# Allegro board pc065a_toplevel_43_allrouted.brd (continued)
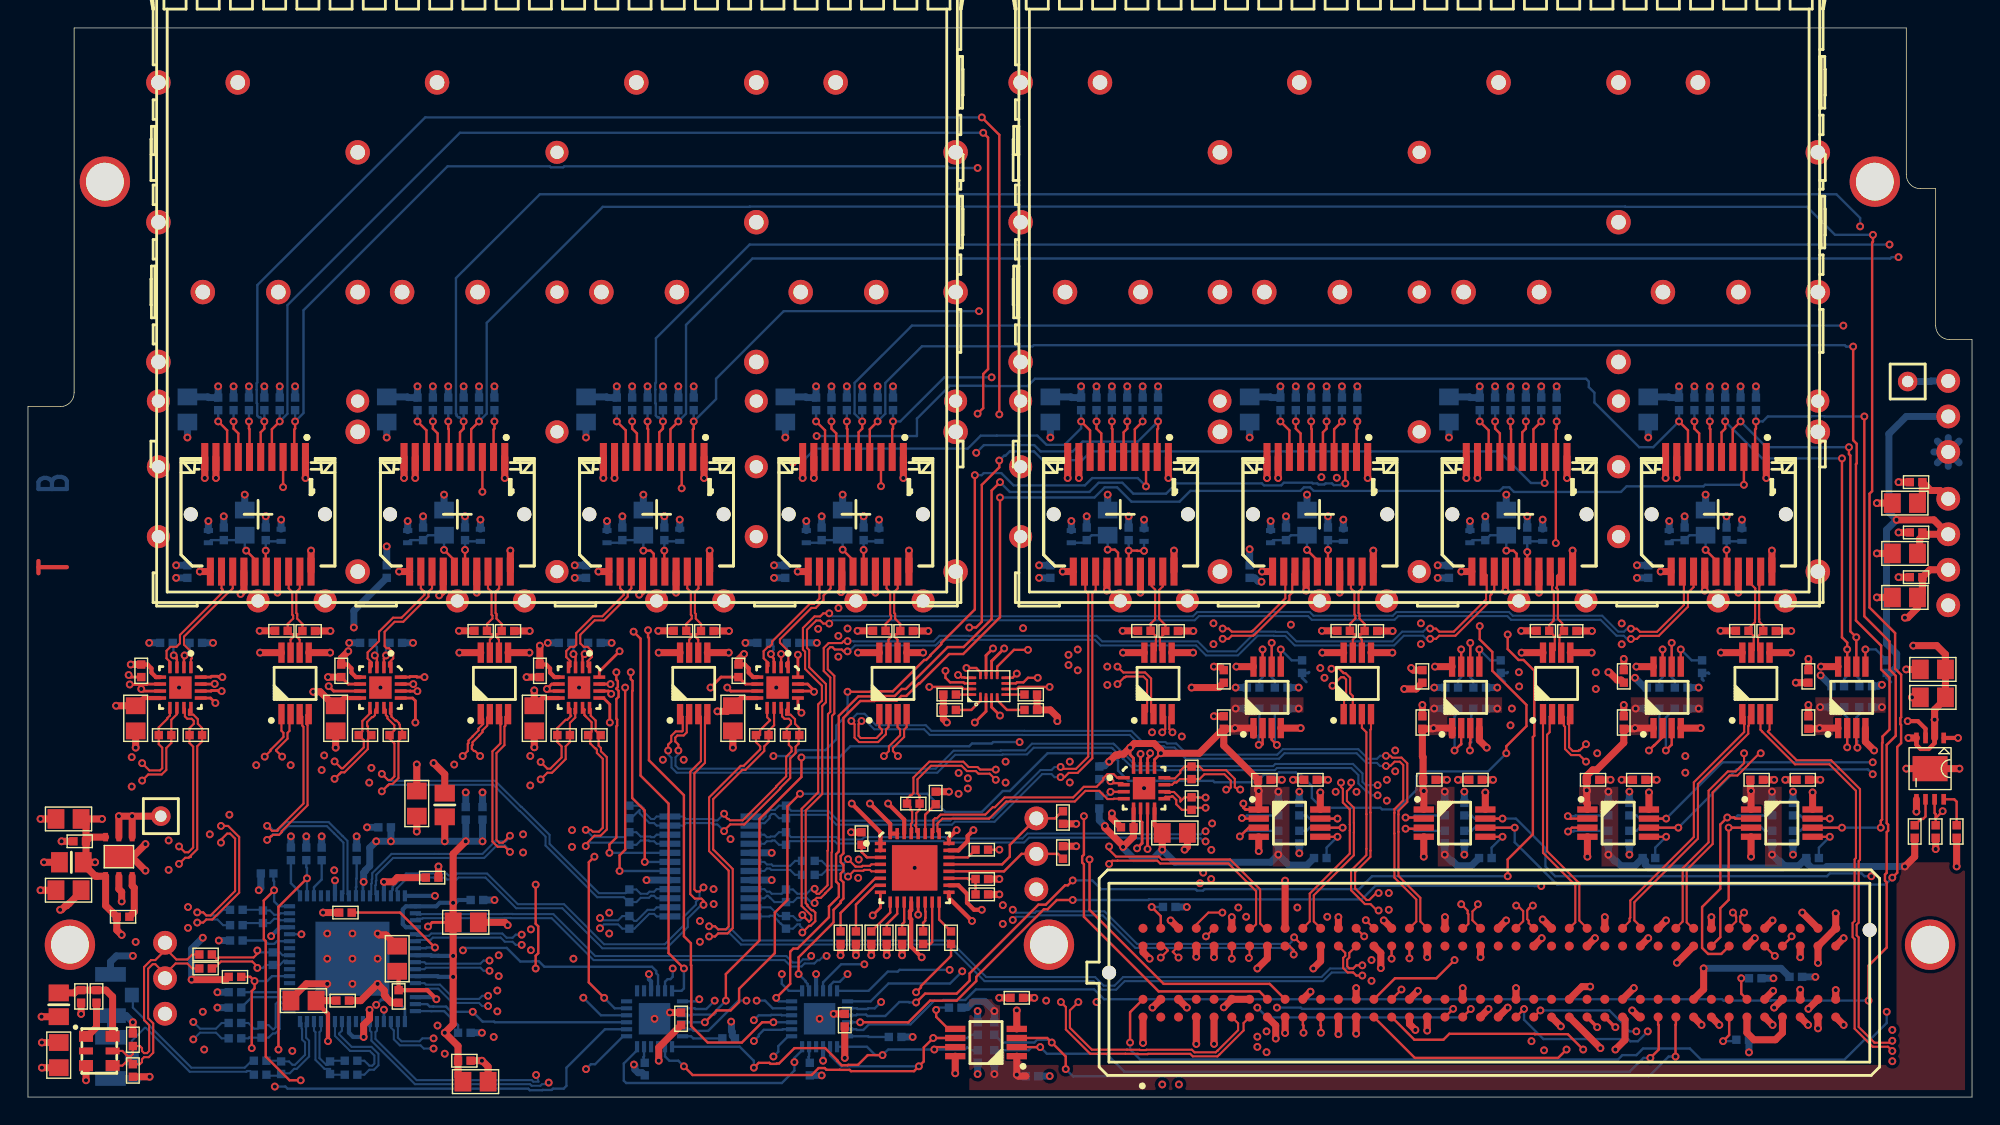
[diagram p0: board, top side]
## Routing (per net, layer and track width the routed paths; a pad name or vN(x,y) marks a point on that pad's centre or on a via; arc(x,y) is an arc through that point) (continued)
SFP_TD_P: length 6.4
  TOP w0.15: U3.7 18.77,32.73 18.95,32.91 18.95,33.12 18.81,33.12 R22.1 18.57,33.86 18.96,34.24 18.96,34.45 18.89,34.52 18.89,36.14 18.64,36.4 J7.18
SFP_TD_P_1: length 6.4
  TOP w0.15: 33.02,31.8 33.02,32.73 33.2,32.91 33.2,33.12 33.06,33.12 R34.1 32.82,33.86 33.21,34.24 33.21,34.45 33.14,34.52 33.14,36.14 32.89,36.4 J12.18
SFP_TD_P_2: length 6.4
  TOP w0.15: J16.18 47.14,36.4 47.4,36.14 47.4,34.52 47.46,34.45 47.46,34.24 47.07,33.86 R42.1 47.31,33.12 47.45,33.12 47.45,32.91 47.27,32.73 U5.7
SFP_TD_P_3: length 6.4
  TOP w0.15: J20.18 61.39,36.4 61.65,36.14 61.65,34.52 61.71,34.45 61.71,34.24 61.32,33.86 R50.1 61.56,33.12 61.7,33.12 61.7,32.91 61.52,32.73 U6.7
SFP_TD_P_4: length 6.4
  TOP w0.15: U7.7 123.39,31.97 123.39,32.99 R99.1 123.02,33.53 123.48,33.97 123.48,34.19 123.49,34.2 123.49,36.2 123.5,36.22 123.5,36.4 123.09,36.81 J24.18
SFP_TD_P_5: length 6.3
  TOP w0.15: J28.18 109.03,37.41 109.03,36.62 108.97,36.56 108.97,36.32 109.1,36.19 109.1,34.19 109.07,34.16 109.07,34.07 108.77,33.78 R107.1 109.17,32.97 109.17,31.99 U8.7
SFP_TD_P_6: length 6.4
  TOP w0.15: U9.7 94.72,32.73 94.91,32.91 94.91,33.12 94.76,33.12 R115.1 94.52,33.86 94.91,34.24 94.91,34.45 94.84,34.52 94.84,36.14 94.59,36.4 J32.18
SFP_TD_P_7: length 6.3
  TOP w0.15: J36.18 80.34,36.56 80.59,36.31 80.59,34.4 80.59,34.19 80.28,33.88 R123.1 80.6,33.03 80.6,32.99 80.64,32.95 80.64,31.97 U10.7
SFP_TX_DISABLE<0>: length 81.1
  TOP w0.17: J7.3 v1(18.24,43.64)
  L3 w0.17: v1(53.3,2.9) 52.42,2.9 52.38,2.87 51.42,2.87 51.36,2.93 45.52,2.93 45.32,3.12 34.32,3.12 33.99,2.8 33,2.8 32.67,3.12 32.24,3.12 31.61,2.5 27.6,2.5 26.8,3.3 v1(18.9,3.3)
  L4 w0.17: v1(18.24,43.64) 18.62,43.25 18.62,27.08 19.31,26.39 19.31,22.41 18.27,21.38 18.27,3.93 v1(18.9,3.3)
  BOTTOM w0.17: IC10.1 54.35,4.35 53.65,3.65 53.65,3.25 v1(53.3,2.9)
SFP_TX_DISABLE<1>: length 65.2
  TOP w0.17: J12.3 v1(32.49,43.31)
  L3 w0.17: v1(51.9,4.01) 48.69,4.01 48.57,4.13 33.47,4.13 v1(33.3,4.3)
  L4 w0.17: v1(33.3,4.3) 33.3,5.2 32.38,6.12 32.38,7.53 32.2,7.71 32.2,17.26 33.02,18.08 33.02,22.02 32.86,22.19 32.86,36.07 31.9,37.03 31.9,40.1 32.88,41.08 32.88,42.92 v1(32.49,43.31)
  BOTTOM w0.17: v1(51.9,4.01) 52.26,4.36 52.26,4.46 52.61,4.81 53.93,4.81 53.97,4.85 IC10.2
SFP_TX_DISABLE<2>: length 51.6
  TOP w0.17: v1(53.3,5.35) 52.49,5.35 51.04,3.9 48.6,3.9 47.42,5.08 47.42,9.42 47.4,9.44 47.4,11.01 46.9,11.51 46.9,21.6 44.4,24.1 44.4,32.85 44.34,32.91 v1(44.34,33.4) ; J16.3 v1(46.74,43.56)
  L4 w0.17: v1(44.34,33.4) 45.36,34.43 45.42,34.43 47.12,36.14 47.12,43.17 v1(46.74,43.56)
  BOTTOM w0.17: v1(53.3,5.35) IC10.3
SFP_TX_DISABLE<3>: length 47.3
  TOP w0.17: J20.3 v1(60.99,43.71)
  L4 w0.17: v1(60.99,43.71) 59.23,41.95 59.23,41.73 55.56,38.06 55.56,37.82 55.56,33.63 55.67,33.52 55.67,33.08 55.58,32.98 55.58,31.43 55.5,31.36 55.5,30.5 55.73,30.27 55.73,29.27 55.67,29.22 55.67,28.78 55.73,28.73 55.73,27.82 55.83,27.72 55.83,21.58 54.8,20.56 54.8,13.97 52.9,12.07 52.9,6.5 v1(51.9,5.5)
  BOTTOM w0.17: IC10.4 53.89,5.85 53.86,5.88 53.14,5.88 53.1,5.85 52.25,5.85 v1(51.9,5.5)
SFP_TX_DISABLE<4>: length 65.9
  TOP w0.17: J36.3 v1(79.94,43.7) ; v1(58.6,29) 60.25,29 60.28,29.03 61.84,29.03 64.08,31.27 64.22,31.27 64.53,31.58 64.53,31.62 65.3,32.4 65.3,32.49 67.7,34.89 v1(67.7,44.5)
  L4 w0.17: v1(52.1,6.9) 52.1,10.4 52.33,10.63 52.33,23.43 v1(53.3,24.4)
  BOTTOM w0.17: v1(79.94,43.7) 79.35,44.29 76.09,44.29 75.57,43.77 70.47,43.77 69.59,44.65 68.34,44.65 68.19,44.5 v1(67.7,44.5) ; v1(53.3,24.4) 54.66,24.4 55.08,24.83 57.02,24.83 57.8,25.6 57.8,26.58 58.6,27.38 v1(58.6,29) ; v1(52.1,6.9) 52.7,6.9 53.25,6.35 IC10.5
SFP_TX_DISABLE<5>: length 75.6
  TOP w0.17: v1(69.5,44) 68.9,43.4 68.9,34.2 66.9,32.2 65.77,32.2 62.77,29.2 62.47,29.2 61.97,28.7 60.41,28.7 60.38,28.67 59.37,28.67 57.98,27.27 57.98,17.57 57.78,17.38 57.78,15.42 57.98,15.23 57.98,14.34 57.27,13.64 57.27,12.87 55.02,10.62 54.73,10.62 54.5,10.4 54.5,8.1 v1(53.5,7.1) ; J32.3 v1(94.19,43.91)
  BOTTOM w0.17: v1(53.5,7.1) 53.5,7.02 53.67,6.85 IC10.6 ; v1(69.5,44) 70.2,43.3 75.9,43.3 76.56,43.96 78.24,43.96 79.03,43.17 81.38,43.17 82.11,43.91 88.23,43.91 88.37,43.77 89.61,43.77 89.8,43.96 91.8,43.96 91.85,43.91 92.19,43.91 92.26,43.84 92.7,43.84 92.77,43.91 93.24,43.91 93.36,43.79 93.83,43.79 93.95,43.91 v1(94.19,43.91)
SFP_TX_DISABLE<6>: length 94.5
  TOP w0.17: v1(69.45,45.55) 69.45,45.05 68.2,43.81 68.2,34.01 67.79,33.6 v1(67.3,33.6) ; J28.3 v1(108.44,43.94)
  L3 w0.17: v1(67.3,33.6) 66.7,34.2 59.27,34.2 v1(58.6,33.52)
  L4 w0.17: v1(58.6,33.52) 57.72,33.52 57.42,33.22 57.42,33.21 57.12,32.92 57.12,32.38 57.12,32.38 57.12,32.36 56.77,32.01 56.77,28.83 56.3,28.36 56.3,21.2 55.3,20.2 55.3,14 53.9,12.6 v1(53.9,8.8)
  BOTTOM w0.17: v1(108.44,43.94) 107.46,43.94 105.2,46.2 76,46.2 75.37,45.57 72.56,45.57 71.93,46.2 70.2,46.2 69.89,45.89 69.79,45.89 v1(69.45,45.55) ; v1(53.9,8.8) 53.9,8.1 54.4,7.6 IC10.7
SFP_TX_DISABLE<7>: length 101.1
  TOP w0.17: v1(69.5,42.9) 69.5,34.33 66.87,31.7 65.86,31.7 63.76,29.6 63.7,29.6 62.8,28.7 62.44,28.7 62.11,28.37 60.55,28.37 60.52,28.34 59.51,28.34 58.31,27.14 58.31,17.44 58.11,17.24 58.11,16.81 58.3,16.61 58.3,16.19 58.11,15.99 58.11,15.56 58.3,15.36 58.3,14.21 58.11,14.01 58.11,13.91 57.6,13.4 57.6,12.5 55.1,10 v1(55.1,8.8) ; J24.3 v1(122.69,43.81)
  BOTTOM w0.17: v1(55.1,8.8) 55.6,8.3 55.6,8.25 55.74,8.1 55.74,7.96 55.85,7.85 IC10.8 ; v1(69.5,42.9) 76.25,42.9 76.98,43.63 77.87,43.63 78.9,42.6 82.34,42.6 83.11,43.37 90.98,43.37 91.23,43.63 91.67,43.63 91.92,43.37 105.23,43.37 105.48,43.63 105.92,43.63 106.25,43.3 113.9,43.3 114.3,43.7 119.8,43.7 119.91,43.81 v1(122.69,43.81)
UNNAMED_1_CAPCERSMDCL2_I31_B: length 5.7
  TOP w0.17: J7.15 16.24,38.46 v1(15.6,39.1)
  BOTTOM w0.17: v1(15.6,39.1) 15.5,39.2 C34.2 15.15,39.85 C35.2 13.09,39.85 L5.1
UNNAMED_1_CAPCERSMDCL2_I31_B_1: length 5.7
  TOP w0.17: v1(29.75,39.15) 30.49,38.41 J12.15
  BOTTOM w0.17: v1(29.75,39.15) C43.2 28.6,40.2 C44.2 27.34,39.85 L7.1
UNNAMED_1_CAPCERSMDCL2_I31_B_2: length 6
  TOP w0.17: v1(44,39.1) 44.52,39.1 44.74,38.88 J16.15
  BOTTOM w0.17: v1(44,39.1) C48.2 43.65,39.85 C49.2 42.31,39.66 L9.1
UNNAMED_1_CAPCERSMDCL2_I31_B_3: length 5.7
  TOP w0.17: J20.15 58.99,38.43 v1(58.25,39.17)
  BOTTOM w0.17: v1(58.25,39.17) C53.2 57.9,39.85 C54.2 56.56,39.66 L11.1
UNNAMED_1_CAPCERSMDCL2_I31_B_4: length 5.7
  TOP w0.17: J24.15 120.69,38.41 v1(119.95,39.15)
  BOTTOM w0.17: L13.1 117.53,39.85 C63.2 118.8,40.2 C62.2 v1(119.95,39.15)
UNNAMED_1_CAPCERSMDCL2_I31_B_5: length 6
  TOP w0.17: v1(105.7,39.1) 106.22,39.1 106.44,38.88 J28.15
  BOTTOM w0.17: v1(105.7,39.1) C67.2 104.55,40.2 C68.2 103.28,39.85 L15.1
UNNAMED_1_CAPCERSMDCL2_I31_B_6: length 5.7
  TOP w0.17: J32.15 92.19,38.41 v1(91.45,39.15)
  BOTTOM w0.17: L17.1 89.03,39.85 C73.2 90.3,40.2 C72.2 v1(91.45,39.15)
UNNAMED_1_CAPCERSMDCL2_I31_B_7: length 6
  TOP w0.17: v1(77.2,39.17) 77.72,39.17 77.94,38.95 J36.15
  BOTTOM w0.17: L19.1 75.52,39.66 C78.2 76.05,40.2 C77.2 v1(77.2,39.17)
UNNAMED_1_CAPCERSMDCL2_I35_B: length 3.4
  TOP w0.17: v1(17,39.1) 17,37.64 J7.16
  BOTTOM w0.17: v1(17,39.1) C33.2 17.09,39.77 18.1,39.77
UNNAMED_1_CAPCERSMDCL2_I35_B_1: length 3.4
  TOP w0.17: J12.16 31.25,37.64 v1(31.25,39.15)
  BOTTOM w0.17: 32.35,39.77 31.34,39.77 C42.2 v1(31.25,39.15)
UNNAMED_1_CAPCERSMDCL2_I35_B_2: length 3.4
  TOP w0.17: v1(45.5,39.1) 45.5,37.64 J16.16
  BOTTOM w0.17: 46.6,39.77 45.59,39.77 C47.2 v1(45.5,39.1)
UNNAMED_1_CAPCERSMDCL2_I35_B_3: length 3.4
  TOP w0.17: J20.16 59.75,37.64 v1(59.75,39.15)
  BOTTOM w0.17: 60.85,39.77 59.84,39.77 C52.2 v1(59.75,39.15)
UNNAMED_1_CAPCERSMDCL2_I35_B_4: length 3.4
  TOP w0.17: v1(121.45,39.15) 121.45,37.64 J24.16
  BOTTOM w0.17: 122.55,39.77 121.53,39.77 C61.2 v1(121.45,39.15)
UNNAMED_1_CAPCERSMDCL2_I35_B_5: length 3.4
  TOP w0.17: v1(107.2,39) 107.2,37.64 J28.16
  BOTTOM w0.17: v1(107.2,39) C66.2 107.28,39.77 108.3,39.77
UNNAMED_1_CAPCERSMDCL2_I35_B_6: length 3.4
  TOP w0.17: J32.16 92.95,37.64 v1(92.95,39.15)
  BOTTOM w0.17: v1(92.95,39.15) C71.2 93.03,39.77 94.05,39.77
UNNAMED_1_CAPCERSMDCL2_I35_B_7: length 4.1
  TOP w0.17: v1(79.8,39.08) 79.31,39.08 79.29,39.1 v1(78.7,39.1) 78.7,37.64 J36.16
  BOTTOM w0.17: 79.8,39.77 v1(79.8,39.08) ; C76.2 v1(78.7,39.1)
UNNAMED_1_CON20PSFP_I19_RATES_1: length 3.5
  TOP w0.17: v1(28.95,48.35) 28.95,47.83 29.29,47.49 J12.7
  BOTTOM w0.17: R41.1 v1(28.95,48.35)
UNNAMED_1_CON20PSFP_I19_RATES_2: length 3.5
  TOP w0.17: J16.7 43.54,47.49 43.2,47.83 v1(43.2,48.35)
  BOTTOM w0.17: R49.1 v1(43.2,48.35)
UNNAMED_1_CON20PSFP_I19_RATES_3: length 3.5
  TOP w0.17: J20.7 57.79,47.49 57.45,47.83 v1(57.45,48.35)
  BOTTOM w0.17: R57.1 v1(57.45,48.35)
UNNAMED_1_CON20PSFP_I19_RATES_4: length 3.5
  TOP w0.17: v1(119.15,48.35) 119.15,47.83 119.49,47.49 J24.7
  BOTTOM w0.17: R106.1 v1(119.15,48.35)
UNNAMED_1_CON20PSFP_I19_RATES_5: length 3.5
  TOP w0.17: J28.7 105.24,47.49 104.9,47.83 v1(104.9,48.35)
  BOTTOM w0.17: R114.1 v1(104.9,48.35)
UNNAMED_1_CON20PSFP_I19_RATES_6: length 3.5
  TOP w0.17: J32.7 90.99,47.49 90.65,47.83 v1(90.65,48.35)
  BOTTOM w0.17: R122.1 v1(90.65,48.35)
UNNAMED_1_CON20PSFP_I19_RATES_7: length 3.5
  TOP w0.17: v1(76.4,48.35) 76.4,47.83 76.74,47.49 J36.7
  BOTTOM w0.17: R130.1 v1(76.4,48.35)
UNNAMED_1_CON20PSFP_I19_RATESEL: length 3.5
  TOP w0.17: J7.7 15.04,47.49 14.7,47.83 v1(14.7,48.35)
  BOTTOM w0.17: R29.1 v1(14.7,48.35)
UNNAMED_1_RSMD0402_I7_B: length 3.2
  TOP w0.17: v1(64.94,6.24) 64.94,5.74 65.8,4.88 IC11.5
  BOTTOM w0.17: v1(64.94,6.24) 65.1,6.4 R133.2
UNNAMED_1_RSMD0402_I7_B_1: length 3.1
  TOP w0.17: IC12.5 v1(93.63,18.62)
  BOTTOM w0.17: R138.2 92.85,17.85 v1(93.63,18.62)
UNNAMED_1_RSMD0402_I7_B_2: length 3.1
  TOP w0.17: IC14.5 v1(105.43,18.62)
  BOTTOM w0.17: R143.2 104.65,17.85 v1(105.43,18.62)
UNNAMED_1_RSMD0402_I7_B_3: length 3.1
  TOP w0.17: IC15.5 v1(117.13,18.62)
  BOTTOM w0.17: v1(117.13,18.62) 116.35,17.85 R148.2
UNNAMED_1_RSMD0402_I7_B_4: length 3.1
  TOP w0.17: IC16.5 v1(128.83,18.62)
  BOTTOM w0.17: R153.2 128.05,17.85 v1(128.83,18.62)
UNNAMED_1_RSMD0402_I7_B_5: length 3.1
  TOP w0.17: 89.58,30.8 v1(89.58,32.03)
  BOTTOM w0.17: v1(89.58,32.03) 90.35,31.25 R158.2
UNNAMED_1_RSMD0402_I7_B_6: length 3.1
  TOP w0.17: 103.78,30.8 v1(103.78,32.03)
  BOTTOM w0.17: v1(103.78,32.03) 104.55,31.25 R163.2
UNNAMED_1_RSMD0402_I7_B_7: length 3.1
  TOP w0.17: IC19.5 v1(118.17,32.03)
  BOTTOM w0.17: v1(118.17,32.03) 118.95,31.25 R168.2
UNNAMED_1_RSMD0402_I7_B_8: length 3.1
  TOP w0.17: IC20.5 v1(131.38,32.03)
  BOTTOM w0.17: v1(131.38,32.03) 132.12,32.03 R173.2
UNNAMED_1_RSMD0402_I10_B: length 1.9
  TOP w0.17: IC4.3 10.65,31.31 10.62,31.33 10.62,31.48 10.49,31.61 v1(10.42,31.61)
  BOTTOM w0.17: v1(10.42,31.61) 10.42,31.68 10.4,31.7 10.4,32.45 R59.2
UNNAMED_1_RSMD0402_I10_B_1: length 2
  TOP w0.17: v1(24.8,31.6) 24.95,31.45 IC5.3
  BOTTOM w0.17: R63.2 24.95,32.2 24.95,31.75 v1(24.8,31.6)
UNNAMED_1_RSMD0402_I10_B_2: length 1.9
  TOP w0.17: v1(39,31.7) 39.15,31.55 IC6.3
  BOTTOM w0.17: v1(39,31.7) 39,32.35 R67.2
UNNAMED_1_RSMD0402_I10_B_3: length 2
  TOP w0.17: v1(53.12,31.7) 53.2,31.62 53.2,31.5 53.33,31.38 53.33,31.19 53.35,31.16 IC7.3
  BOTTOM w0.17: R71.2 53.3,32.25 53.3,32 53.2,31.9 53.2,31.78 v1(53.12,31.7)
UNNAMED_1_RSMD0402_I10_B_4: length 1.9
  TOP w0.17: IC13.3 78.34,21.84 v1(77.4,21.84)
  BOTTOM w0.17: R96.2 77.11,21.55 v1(77.4,21.84)
UNNAMED_1_RSMD0402_I11_B: length 1.9
  TOP w0.17: v1(11.2,31.6) 11.15,31.55 IC4.2
  BOTTOM w0.17: R58.2 11.55,31.95 v1(11.2,31.6)
UNNAMED_1_RSMD0402_I11_B_1: length 1.9
  TOP w0.17: v1(25.6,31.6) 25.48,31.48 25.48,31.41 25.45,31.39 IC5.2
  BOTTOM w0.17: R62.2 25.6,32.25 v1(25.6,31.6)
UNNAMED_1_RSMD0402_I11_B_2: length 1.9
  TOP w0.17: IC6.2 39.65,31.55 v1(39.8,31.7)
  BOTTOM w0.17: R66.2 39.8,32.25 v1(39.8,31.7)
UNNAMED_1_RSMD0402_I11_B_3: length 2.1
  TOP w0.17: IC7.2 v1(53.85,31.7)
  BOTTOM w0.17: v1(53.85,31.7) 54.08,31.7 54.25,31.87 R70.2
UNNAMED_1_RSMD0402_I11_B_4: length 1.9
  TOP w0.17: v1(77.4,22.6) 77.54,22.46 78.24,22.46 IC13.2
  BOTTOM w0.17: v1(77.4,22.6) 77.26,22.6 77.11,22.75 R95.2
UNNAMED_4_FMCLPCGENERIC_I1_GA0: length 2.9
  TOP w0.17: 121.64,5.73 121.64,4.44 v1(121.2,4)
  BOTTOM w0.17: v1(121.2,4) 122.05,4 R184.2
UNNAMED_4_FMCLPCGENERIC_I1_GA1: length 2.2
  TOP w0.17: 122.91,7 122.5,7.4 v1(122.5,8.5)
  BOTTOM w0.17: R185.2 v1(122.5,8.5)
UNNAMED_7_CAPCERSMDCL2_I28_B: length 2.7
  TOP w0.17: U11.8 137.73,21.3 137.9,21.13 C101.2
UNNAMED_7_CON3P_I14_A: length 2.9
  BOTTOM w0.5: TP10.1 136.03,51.2 136.07,51.24 J39.1
UNNAMED_7_MP20075REG_I17_REF: length 2.3
  TOP w0.17: U11.6 135.68,20.08 135.5,19.9 135.35,19.9 R183.2
UNNAMED_8_DSC1123CI5_I74_EN: length 2.8
  TOP w0.5: R3.2 4.9,5 4.25,4.35 QZ1.1
UNNAMED_8_LP38692SD_I104_EN: length 3.1
  TOP w0.5: U2.3 7.45,15.12 7.6,14.97 7.6,13.25 R2.2
UNNAMED_8_RSMD0402_I25_B: length 3.8
  BOTTOM w0.17: R20.2 16,7.15 IC3.3
UNNAMED_8_RSMD0402_I26_B: length 3.5
  BOTTOM w0.17: IC3.4 18.09,7.65 17.94,7.5 R21.2
UNNAMED_8_RSMD0402_I28_B: length 4
  BOTTOM w0.17: IC3.48 28.84,6.15 28.85,6.15 29.75,6.15 30.75,5.15 R18.2
UNNAMED_8_RSMD0402_I29_B: length 2.6
  BOTTOM w0.17: R19.2 23.5,15.64 23.48,15.62 23.48,15.04 23.45,15.01 IC3.25
UNNAMED_8_RSMD0402_I30_B: length 8.4
  TOP w0.17: R6.2 26.6,13.2 v1(29.1,10.7)
  BOTTOM w0.17: IC3.39 28.46,10.65 28.51,10.7 v1(29.1,10.7)
UNNAMED_8_RSMD0402_I66_B: length 3.5
  BOTTOM w0.17: IC3.11 17.8,11.15 17.61,10.96 17.16,10.96 16.92,11.2 R10.2
UNNAMED_8_RSMD0402_I67_B: length 2.8
  BOTTOM w0.17: R11.2 18.8,15.3 19.45,14.65 IC3.17
UNNAMED_8_RSMD0402_I68_B: length 2.8
  BOTTOM w0.17: IC3.19 20.45,15.01 21,15.56 R12.2
UNNAMED_10_ADN2814_I34_CF1: length 3.6
  TOP w0.17: IC9.15 64.65,11.09 64.51,10.95 C58.1
UNNAMED_10_ADN2814_I34_CF2: length 2.2
  TOP w0.17: IC9.14 64.15,13.29 64.17,13.27 64.17,12.83 64.15,12.81 64.15,12.61 64,12.46 C58.2
UNNAMED_10_ADN2814_I34_LOL: length 2.5
  TOP w0.17: R91.1 65.15,12.7 IC9.16
UNNAMED_10_ADN2814_I34_LOS: length 2.1
  TOP w0.17: IC9.22 67.2,17.15 R89.2
UNNAMED_10_ADN2814_I34_REFCLKN: length 2.2
  TOP w0.17: IC9.11 62.65,12.51 62.5,12.36 R85.2
UNNAMED_10_ADN2814_I34_REFCLKP: length 2.4
  TOP w0.17: IC9.10 62.15,13.11 61.4,12.36 R84.2
UNNAMED_10_ADN2814_I34_SADDRS: length 3
  TOP w0.17: IC9.19 67.19,15.65 67.24,15.6 R82.2 R83.2
UNNAMED_10_ADN2814_I34_SLICEN: length 4.2
  TOP w0.17: R87.2 59.2,13.77 60.58,15.15 IC9.7
UNNAMED_10_ADN2814_I34_SLICEP: length 5.2
  TOP w0.17: IC9.6 60.58,15.65 58.1,13.17 R86.2
UNNAMED_10_ADN2814_I34_SQUELCH: length 2.4
  TOP w0.17: IC9.27 64.15,20.2 R90.1
UNNAMED_10_ADN2814_I34_THRADJ: length 2.7
  TOP w0.17: R88.2 61.65,13.2 IC9.9
UNNAMED_10_ADN2814_I34_VREF: length 2
  TOP w0.17: C57.1 59.6,17.54 59.61,17.52 59.62,17.52 59.92,17.22 59.92,17.21 59.99,17.15 IC9.3
UNNAMED_13_74AVC4T245BRIS_I75_1: length 2.4
  TOP w0.17: R176.1 70,27.7 69.3,28.4 IC21.4
UNNAMED_13_74AVC4T245BRIS_I75_2: length 2.3
  TOP w0.17: IC21.1 68.1,28.35 67.45,27.7 R177.2
UNNAMED_13_74AVC4T245BRIS_I76_1: length 1.1
  TOP w0.17: IC21.16 R179.2
UNNAMED_13_74AVC4T245BRIS_I76_2: length 1.3
  TOP w0.17: IC21.5 R178.1
UNNAMED_13_RSMD0402_I6_B: length 3
  BOTTOM w0.17: R31.2 60.12,4.3 60.07,4.35 IC10.18
UNNAMED_13_RSMD0402_I8_B: length 1.2
  BOTTOM w0.17: IC10.23 55.85,2.91 55.8,2.86 R32.2
UNNAMED_13_RSMD0402_I45_B: length 2.9
  BOTTOM w0.17: IC23.18 47.41,4.35 47.56,4.2 R180.2
UNNAMED_13_RSMD0402_I46_B: length 1.2
  BOTTOM w0.17: IC23.23 44.05,2.91 44,2.86 R181.2
VADJ: length 11.6
  TOP w0.5: v1(129.25,13.14) 129.25,12.08 J10.G39 v1(127.98,9.6)
  BOTTOM w0.5: 136.27,46.16 J39.3 ; J39.3 138.08,46.94 ; J39.3 136.52,45.38 ; J39.3 138.08,45.38 ; J39.3 137.3,47.19 ; J39.3 136.52,46.94 ; J39.3 137.3,45.13
XA: length 6.3
  TOP w0.15: C29.1 13.3,9.2 13.8,9.7 16.03,9.7 16.4,9.33 v1(16.4,9.24)
  BOTTOM w0.15: IC3.8 18.62,9.65 18.52,9.76 18.31,9.76 18,9.45 R17.1 17,9.45 16.79,9.24 v1(16.4,9.24)
XB: length 6.2
  TOP w0.15: v1(16.4,10.49) 16.4,10.25 16.14,9.99 13.68,9.99 13.59,9.9 13.45,9.9 C30.1
  BOTTOM w0.15: IC3.9 18.2,10.15 18,10.35 R17.2 16.54,10.35 v1(16.4,10.49)

## Copper pours and planes (outline as drawn; the poured copper is in the pictures)
GND on L2: 0.5,0.5 138.5,0.5 138.5,53.7 137.4,53.7 136.34,54.14 135.9,55.2 135.9,64.5 135.3,64.5 134.24,64.94 133.8,66 133.8,76 3.8,76 3.8,50.4 3.36,49.34 2.3,48.9 0.5,48.9
P1V3 on L5: 133.1,25 133.1,32.8 120.4,32.8 120.4,33.9 130.9,33.9 130.9,58.4 113.3,58.4 113.3,32.8 106.2,32.8 106.2,33.9 111.3,33.9 111.3,58.4 99,58.4 99,32.8 91.9,32.8 91.9,33.9 97,33.9 97,58.4 84.7,58.4 84.7,32.8 77.7,32.8 77.7,33.9 82.7,33.9 82.7,58.4 65.8,58.4 65.8,32.8 58.7,32.8 58.7,33.9 63.8,33.9 63.8,58.4 51.5,58.4 51.5,32.8 44.5,32.8 44.5,33.9 49.5,33.9 49.5,58.4 37.3,58.4 37.3,32.8 30.2,32.8 30.2,33.9 35.3,33.9 35.3,58.4 23,58.4 23,32.8 16,32.8 16,33.9 21,33.9 21,60.5 133.5,60.5 133.5,44.8 134.9,44.8 134.9,31.5 136.8,31.5 136.8,25
P1V8A on L5: 29.8,15.1 27.6,15.1 27.6,5 20.2,5 20.2,1.7 6,1.7 6,14.6 4.2,14.6 4.2,20.8 6.4,20.8 6.4,18.9 11.2,18.9 11.2,21.5 3.2,21.5 3.2,0.5 25.2,0.5 25.2,3.4 27.2,3.4 29.8,6
P2V5 on TOP: 90.2,16.5 90.2,22.2 87.4,22.2 87.4,20.3 89,20.3 89,16.5
P2V5 on TOP: 91.2,28.6 85.98,28.6 85.98,25.92 87.88,25.92 87.88,27.52 91.2,27.52
P2V5 on TOP: 67.3,7 67.3,0.5 138.5,0.5 138.5,16.8 133.6,16.8 133.6,2.3 71.1,2.3 71.1,3.2 69.5,3.2 69.5,7
P2V5 on TOP: 133,28.6 127.8,28.6 127.8,25.9 129.7,25.9 129.7,27.5 133,27.5
P2V5 on TOP: 102,16.5 102,22.2 99.2,22.2 99.2,20.3 100.8,20.3 100.8,16.5
P2V5 on TOP: 105.4,28.6 100.2,28.6 100.2,25.9 102.1,25.9 102.1,27.5 105.4,27.5
P2V5 on TOP: 113.7,16.5 113.7,22.2 110.9,22.2 110.9,20.3 112.5,20.3 112.5,16.5
P2V5 on TOP: 119.8,28.6 114.6,28.6 114.6,25.9 116.5,25.9 116.5,27.5 119.8,27.5
P2V5 on TOP: 125.4,16.5 125.4,22.2 122.6,22.2 122.6,20.3 124.2,20.3 124.2,16.5
P2V5 on BOTTOM: 47.8,32.9 56.7,32.9 56.7,31.2 86,31.2 86,29.7 90.6,29.7 90.6,30.8 91.7,30.8 91.7,29.7 104.8,29.7 104.8,30.8 105.9,30.8 105.9,29.7 119.2,29.7 119.2,30.8 120.3,30.8 120.3,29.7 132.4,29.7 132.4,30.8 133.5,30.8 133.5,27.5 70.2,27.5 70.2,26.9 68.9,26.9 68.9,27.5 56.7,27.5 56.7,25.4 5.5,25.4 5.5,32.9 14.4,32.9 14.4,26.4 19.8,26.4 19.8,32.9 28.7,32.9 28.7,26.4 34,26.4 34,32.9 42.9,32.9 42.9,26.4 47.8,26.4
P3V3 on L5: 0.5,0.5 138.5,0.5 138.5,53.7 137.4,53.7 136.34,54.14 135.9,55.2 135.9,64.5 135.3,64.5 134.24,64.94 133.8,66 133.8,76 3.8,76 3.8,50.4 3.36,49.34 2.3,48.9 0.5,48.9
P3V3A on L5: 4.4,21 4.4,10.9 21.3,10.9 21.3,19.3 15.6,19.3 15.6,16.3 9.2,16.3 9.2,18.6 6,18.6 6,21
P3V3B on L5: 22.4,15.9 22.4,13.9 23.7,13.9 23.7,15.9 24.3,15.9 24.3,13.9 25.2,13.9 25.2,15.9 25.8,15.9 25.8,15.1 25.7,15.1 25.7,13.9 26.2,13.9 26.2,5.9 23.8,5.9 23.8,7.4 25.5,7.4 25.5,12.7 21.6,12.7 21.6,15.9
VADJ on BOTTOM: 127.4,9.3 127.5,9.2 138.5,9.2 138.5,47.5 134.1,47.5 134.1,14.1 127.4,14.1

## Text on the board
BOTTOM: B
User.Comments: PIN A1 REF. | SECOND CONNECTOR | (OPTIONAL) | PRIMARY CONNECTOR
TOP: T
L2: 2
L3: 3
L4: 4
L5: 5
DIMENSION: INPUT 1
